# Allegro board 8880F5-0820_5.brd (continued)
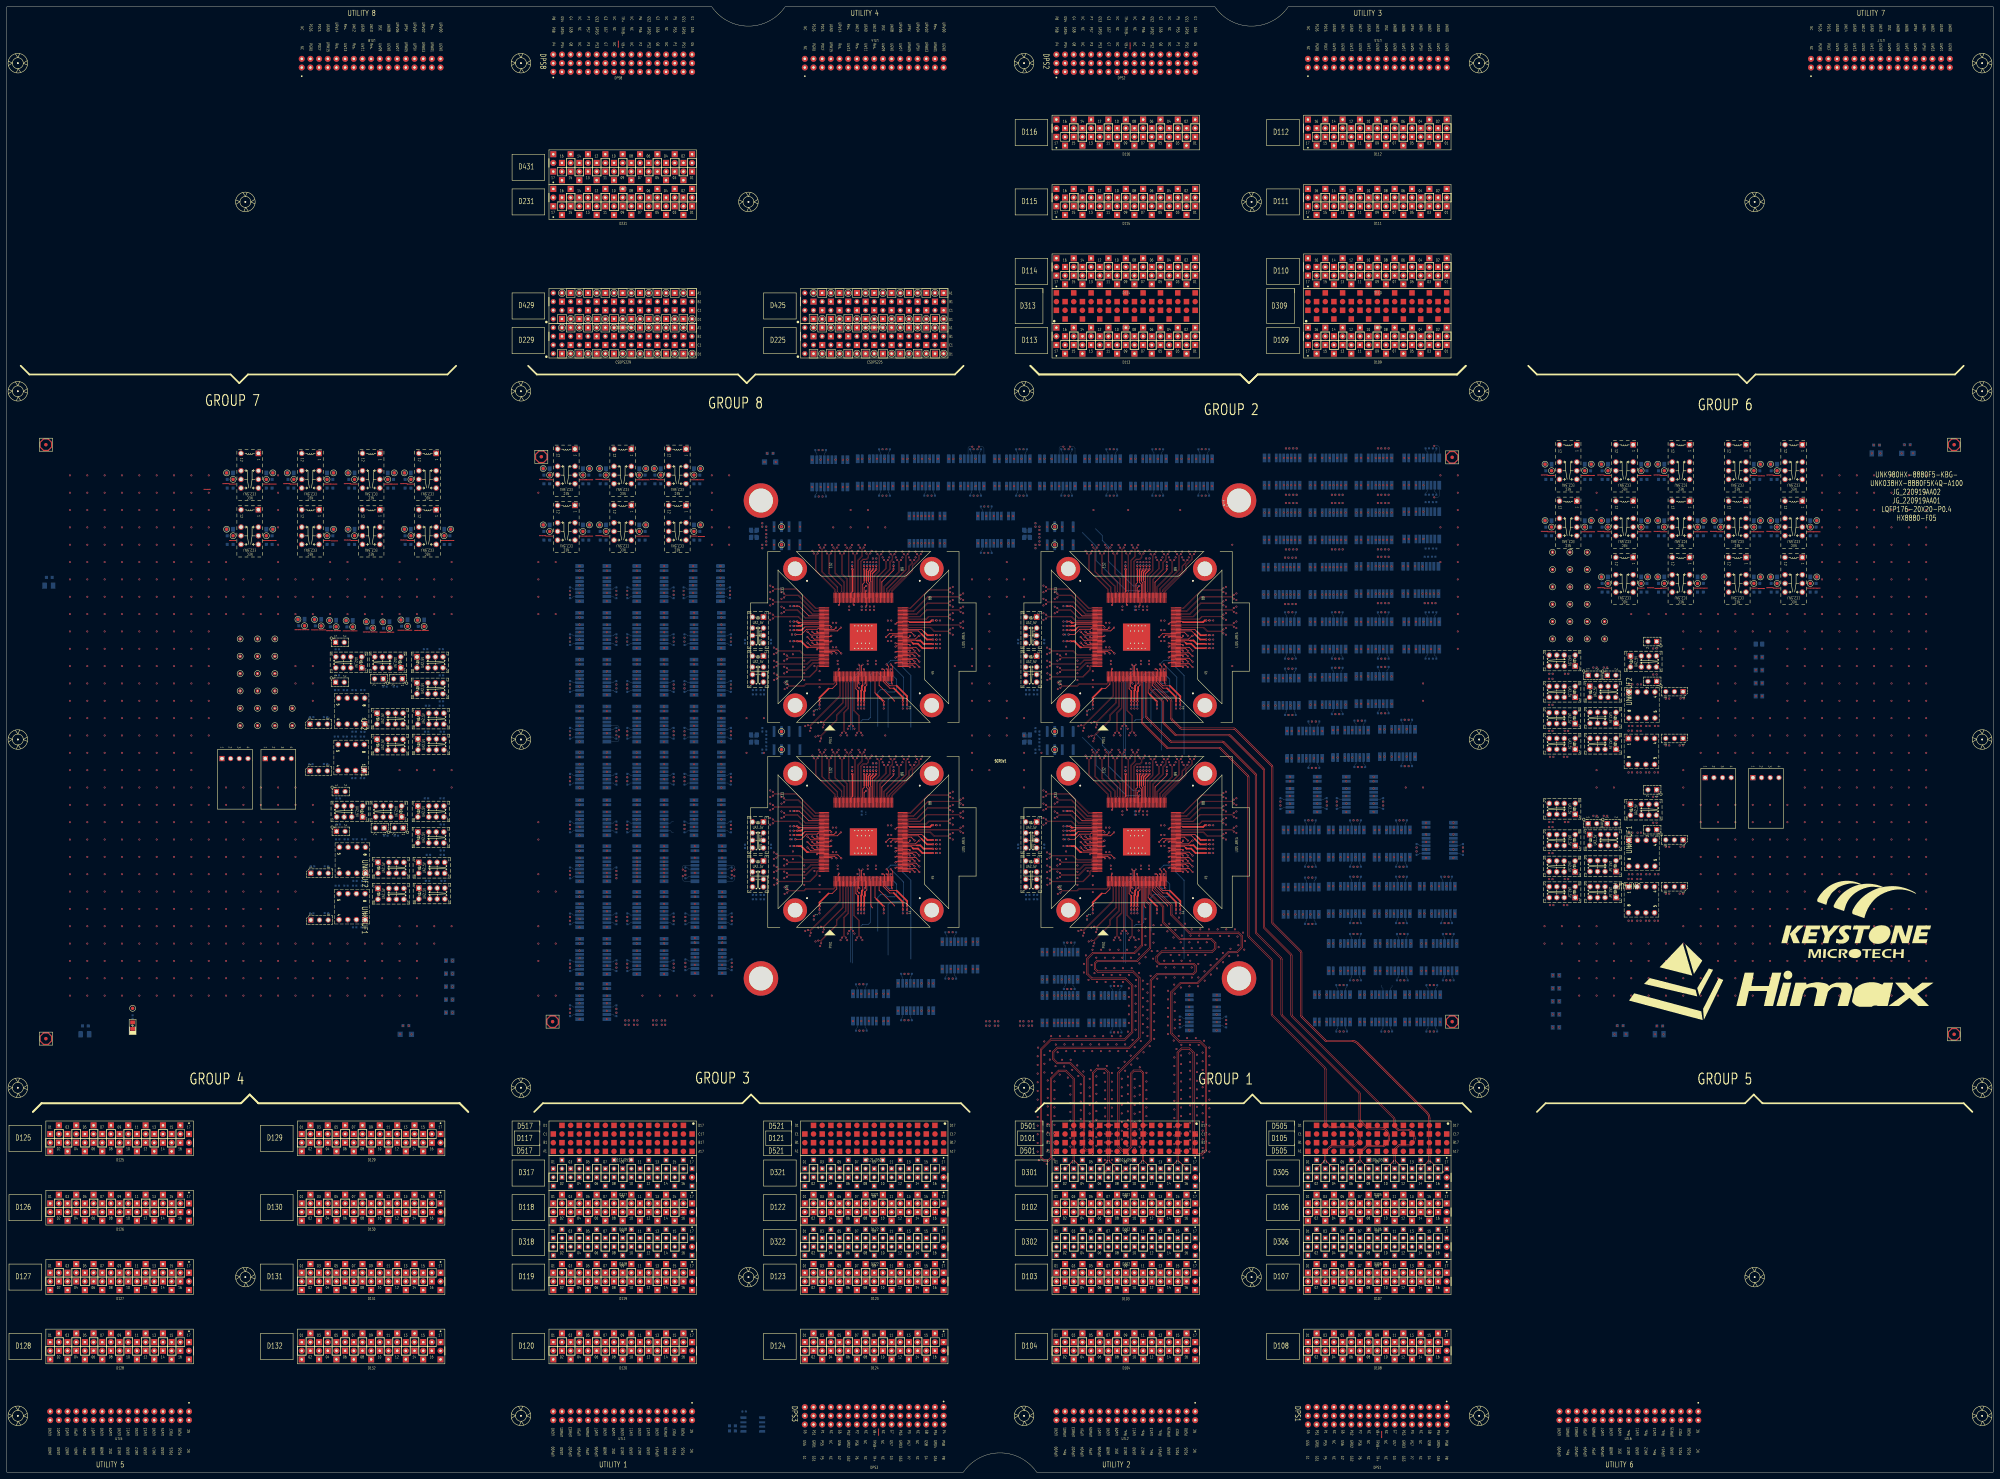
[diagram p0: board, top side]
## Routing (per net, layer and track width the routed paths; a pad name or vN(x,y) marks a point on that pad's centre or on a via; arc(x,y) is an arc through that point) (continued)
  vias: v1(18.48,292.01) v1(18.48,286.93) v1(18.48,281.85) v1(18.48,276.77) v1(18.48,271.69) v1(18.48,266.61) v1(18.48,261.53) v1(18.48,256.45) v1(18.48,251.37) v1(18.48,246.29) v1(18.48,241.21) v1(18.48,236.13) v1(18.48,231.05) v1(18.48,225.97) v1(18.48,220.89) v1(18.48,215.81) v1(18.48,210.73) v1(18.48,205.65) v1(18.48,200.57) v1(18.48,195.49) v1(18.48,190.41) v1(18.48,185.33) v1(18.48,180.25) v1(18.48,175.17) v1(18.48,170.09) v1(18.48,165.01) v1(18.48,159.93) v1(18.48,154.85) v1(18.48,149.77) v1(18.48,144.69) v1(18.48,139.61) v1(23.56,292.01) v1(23.56,286.93) v1(23.56,281.85) v1(23.56,276.77) v1(23.56,271.69) v1(23.56,266.61) v1(23.56,261.53) v1(23.56,256.45) v1(23.56,251.37) v1(23.56,246.29) v1(23.56,241.21) v1(23.56,236.13) v1(23.56,231.05) v1(23.56,225.97) v1(23.56,220.89) v1(23.56,215.81) v1(23.56,210.73) v1(23.56,205.65) v1(23.56,200.57) v1(23.56,195.49) v1(23.56,190.41) v1(23.56,185.33) v1(23.56,180.25) v1(23.56,175.17) v1(23.56,170.09) v1(23.56,165.01) v1(23.56,159.93) v1(23.56,154.85) v1(23.56,149.77) v1(23.56,144.69) v1(23.56,139.61) v1(28.64,292.01) v1(28.64,286.93) v1(28.64,281.85) v1(28.64,276.77) v1(28.64,271.69) v1(28.64,266.61) v1(28.64,261.53) v1(28.64,256.45) v1(28.64,251.37) v1(28.64,246.29) v1(28.64,241.21) v1(28.64,236.13) v1(28.64,231.05) v1(28.64,225.97) v1(28.64,220.89) v1(28.64,215.81) v1(28.64,210.73) v1(28.64,205.65) v1(28.64,200.57) v1(28.64,195.49) v1(28.64,190.41) v1(28.64,185.33) v1(28.64,180.25) v1(28.64,175.17) v1(28.64,170.09) v1(28.64,165.01) v1(28.64,159.93) v1(28.64,154.85) v1(28.64,149.77) v1(28.64,144.69) v1(28.64,139.61) v1(33.72,292.01) v1(33.72,286.93) v1(33.72,281.85) v1(33.72,276.77) v1(33.72,271.69) v1(33.72,266.61) v1(33.72,261.53) v1(33.72,256.45) v1(33.72,251.37) v1(33.72,246.29) v1(33.72,241.21) v1(33.72,236.13) v1(33.72,231.05) v1(33.72,225.97) v1(33.72,220.89) v1(33.72,215.81) v1(33.72,210.73) v1(33.72,205.65) v1(33.72,200.57) v1(33.72,195.49) v1(33.72,190.41) v1(33.72,185.33) v1(33.72,180.25) v1(33.72,175.17) v1(33.72,170.09) v1(33.72,165.01) v1(33.72,159.93) v1(33.72,154.85) v1(33.72,149.77) v1(33.72,144.69) v1(33.72,139.61) v1(38.8,292.01) v1(38.8,286.93) v1(38.8,281.85) v1(38.8,276.77) v1(38.8,271.69) v1(38.8,266.61) v1(38.8,261.53) v1(38.8,256.45) v1(38.8,251.37) v1(38.8,246.29) v1(38.8,241.21) v1(38.8,236.13) v1(38.8,231.05) v1(38.8,225.97) v1(38.8,220.89) v1(38.8,215.81) v1(38.8,210.73) v1(38.8,205.65) v1(38.8,200.57) v1(38.8,195.49) v1(38.8,190.41) v1(38.8,185.33) v1(38.8,180.25) v1(38.8,175.17) v1(38.8,170.09) v1(38.8,165.01) v1(38.8,159.93) v1(38.8,154.85) v1(38.8,149.77) v1(38.8,144.69) v1(38.8,139.61) v1(43.88,292.01) v1(43.88,286.93) v1(43.88,281.85) v1(43.88,276.77) v1(43.88,271.69) v1(43.88,266.61) v1(43.88,261.53) v1(43.88,256.45) v1(43.88,251.37) v1(43.88,246.29) v1(43.88,241.21) v1(43.88,236.13) v1(43.88,231.05) v1(43.88,225.97) v1(43.88,220.89) v1(43.88,215.81) v1(43.88,210.73) v1(43.88,205.65) v1(43.88,200.57) v1(43.88,195.49) v1(43.88,190.41) v1(43.88,185.33) v1(43.88,180.25) v1(43.88,175.17) v1(43.88,170.09) v1(43.88,165.01) v1(43.88,159.93) v1(43.88,154.85) v1(43.88,149.77) v1(43.88,144.69) v1(43.88,139.61) v1(48.96,292.01) v1(48.96,286.93) v1(48.96,281.85) v1(48.96,276.77) v1(48.96,271.69) v1(48.96,266.61) v1(48.96,261.53) v1(48.96,256.45) v1(48.96,251.37) v1(48.96,246.29) v1(48.96,241.21) v1(48.96,236.13) v1(48.96,231.05) v1(48.96,225.97) v1(48.96,220.89) v1(48.96,215.81) v1(48.96,210.73) v1(48.96,205.65) v1(48.96,200.57) v1(48.96,195.49) v1(48.96,190.41) v1(48.96,185.33) v1(48.96,180.25) v1(48.96,175.17) v1(48.96,170.09) v1(48.96,165.01) v1(48.96,159.93) v1(48.96,154.85) v1(48.96,149.77) v1(48.96,144.69) v1(48.96,139.61) v1(54.04,292.01) v1(54.04,286.93) v1(54.04,281.85) v1(54.04,276.77) v1(54.04,271.69) v1(54.04,266.61) v1(54.04,261.53) v1(54.04,256.45) v1(54.04,251.37) v1(54.04,246.29) v1(54.04,241.21) v1(54.04,236.13) v1(54.04,231.05) v1(54.04,225.97) v1(54.04,220.89) v1(54.04,215.81) v1(54.04,210.73) v1(54.04,205.65) v1(54.04,200.57) v1(54.04,195.49) v1(54.04,190.41) v1(54.04,185.33) v1(54.04,180.25) v1(54.04,175.17) v1(54.04,170.09) v1(54.04,165.01) v1(54.04,159.93) v1(54.04,154.85) v1(54.04,149.77) v1(54.04,144.69) v1(54.04,139.61) v1(59.12,292.01) v1(59.12,286.93) v1(59.12,281.85) v1(59.12,276.77) v1(59.12,271.69) v1(59.12,266.61) v1(59.12,261.53) v1(59.12,256.45) v1(59.12,251.37) v1(59.12,246.29) v1(59.12,241.21) v1(59.12,236.13) v1(59.12,231.05) v1(59.12,225.97) v1(59.12,220.89) v1(59.12,215.81) v1(59.12,200.57) v1(59.12,195.49) v1(59.12,190.41) v1(59.12,185.33) v1(59.12,180.25) v1(59.12,175.17) v1(59.12,170.09) v1(59.12,165.01) v1(59.12,159.93) v1(59.12,154.85) v1(59.12,149.77) v1(59.12,144.69) v1(59.12,139.61) v1(64.2,266.61) v1(64.2,261.53) v1(64.2,256.45) v1(64.2,251.37) v1(64.2,200.57) v1(64.2,195.49) v1(64.2,190.41) v1(64.2,185.33) v1(64.2,180.25) v1(64.2,175.17) v1(64.2,170.09) v1(64.2,165.01) v1(64.2,159.93) v1(64.2,154.85) v1(64.2,149.77) v1(64.2,144.69) v1(64.2,139.61) v1(69.28,261.53) v1(69.28,256.45) v1(69.28,251.37) v1(69.28,200.57) v1(69.28,195.49) v1(69.28,190.41) v1(69.28,185.33) v1(69.28,180.25) v1(69.28,175.17) v1(69.28,170.09) v1(69.28,165.01) v1(69.28,159.93) v1(69.28,154.85) v1(69.28,149.77) v1(69.28,144.69) v1(69.28,139.61) v1(74.36,261.53) v1(74.36,256.45) v1(74.36,251.37) v1(74.36,200.57) v1(74.36,195.49) v1(74.36,190.41) v1(74.36,185.33) v1(74.36,180.25) v1(74.36,175.17) v1(74.36,170.09) v1(74.36,165.01) v1(74.36,159.93) v1(74.36,154.85) v1(74.36,149.77) v1(74.36,144.69) v1(74.36,139.61) v1(79.44,292.01) v1(79.44,286.93) v1(79.44,281.85) v1(79.44,276.77) v1(79.44,271.69) v1(79.44,266.61) v1(79.44,261.53) v1(79.44,256.45) v1(79.44,251.37) v1(79.44,200.57) v1(79.44,195.49) v1(79.44,190.41) v1(79.44,185.33) v1(79.44,180.25) v1(79.44,175.17) v1(79.44,170.09) v1(79.44,165.01) v1(79.44,159.93) v1(79.44,154.85) v1(79.44,149.77) v1(79.44,144.69) v1(79.44,139.61) v1(84.52,261.53) v1(84.52,256.45) v1(84.52,251.37) v1(84.52,236.13) v1(84.52,231.05) v1(84.52,200.57) v1(84.52,195.49) v1(84.52,190.41) v1(84.52,185.33) v1(84.52,180.25) v1(84.52,170.09) v1(84.52,154.85) v1(84.52,149.77) v1(84.52,144.69) v1(84.52,139.61) v1(89.6,261.53) v1(89.6,256.45) v1(89.6,251.37) v1(89.6,236.13) v1(89.6,231.05) v1(89.6,225.97) v1(89.6,195.49) v1(89.6,190.41) v1(89.6,185.33) v1(89.6,154.85) v1(89.6,149.77) v1(89.6,144.69) v1(89.6,139.61) v1(94.68,266.61) v1(94.68,261.53) v1(94.68,256.45) v1(94.68,251.37) v1(94.68,154.85) v1(94.68,149.77) v1(94.68,144.69) v1(94.68,139.61) v1(99.76,266.61) v1(99.76,261.53) v1(99.76,256.45) v1(99.76,251.37) v1(99.76,154.85) v1(99.76,149.77) v1(99.76,144.69) v1(99.76,139.61) v1(104.84,261.53) v1(104.84,256.45) v1(104.84,251.37) v1(104.84,154.85) v1(104.84,149.77) v1(104.84,144.69) v1(104.84,139.61) v1(109.92,261.53) v1(109.92,256.45) v1(109.92,251.37) v1(109.92,154.85) v1(109.92,149.77) v1(109.92,144.69) v1(109.92,139.61) v1(115,266.61) v1(115,261.53) v1(115,256.45) v1(115,251.37) v1(115,205.65) v1(115,159.93) v1(115,154.85) v1(115,149.77) v1(115,144.69) v1(115,139.61) v1(120.08,261.53) v1(120.08,256.45) v1(120.08,251.37) v1(120.08,205.65) v1(120.08,159.93) v1(120.08,154.85) v1(120.08,149.77) v1(120.08,144.69) v1(120.08,139.61) v1(125.16,261.53) v1(125.16,256.45) v1(125.16,251.37) v1(125.16,205.65) v1(125.16,159.93) v1(125.16,154.85) v1(128.57,142.24) v1(130.24,266.61) v1(130.24,261.53) v1(130.24,256.45) v1(130.24,251.37) v1(130.24,205.65) v1(130.24,200.57) v1(130.24,159.93) v1(130.51,149.86) v1(130.51,146.05) v1(130.51,138.43) v1(130.51,134.62) v1(155.64,286.93) v1(155.64,266.61) v1(155.64,261.53) v1(155.64,256.45) v1(155.64,251.37) v1(155.64,190.41) v1(155.64,185.33) v1(155.64,175.17) v1(155.64,170.09) v1(155.64,159.93) v1(155.64,154.85) v1(155.64,149.77) v1(155.64,139.61) v1(160.72,266.61) v1(160.72,251.37) v1(160.72,170.09) v1(160.72,154.85) v1(160.72,139.61) v1(167.7,265.45) v1(167.7,262) v1(167.7,259.8) v1(167.7,257.6) v1(167.7,255.15) v1(167.7,251.73) v1(167.7,248.28) v1(167.7,246.08) v1(167.7,243.88) v1(167.7,241.43) v1(167.7,238.02) v1(167.7,234.57) v1(167.7,232.37) v1(167.7,230.17) v1(167.7,227.72) v1(167.7,224.3) v1(167.7,220.85) v1(167.7,218.65) v1(167.7,216.45) v1(167.7,214) v1(167.7,210.84) v1(167.7,207.39) v1(167.7,205.19) v1(167.7,202.99) v1(167.7,200.54) v1(167.7,196.87) v1(167.7,193.42) v1(167.7,191.22) v1(167.7,189.02) v1(167.7,186.57) v1(167.7,183.41) v1(167.7,179.96) v1(167.7,177.76) v1(167.7,175.56) v1(167.7,173.11) v1(167.7,169.95) v1(167.7,166.5) v1(167.7,164.3) v1(167.7,162.1) v1(167.7,159.65) v1(167.7,156.23) v1(167.7,152.78) v1(167.7,150.58) v1(167.7,148.38) v1(167.7,145.93) v1(167.7,143.02) v1(167.7,139.57) v1(167.7,137.37) v1(167.7,135.17) v1(167.7,132.72) v1(175.7,265.45) v1(175.7,262) v1(175.7,259.8) v1(175.7,257.6) v1(175.7,255.15) v1(175.7,251.73) v1(175.7,248.28) v1(175.7,246.08) v1(175.7,243.88) v1(175.7,241.43) v1(175.7,238.02) v1(175.7,234.57) v1(175.7,232.37) v1(175.7,230.17) v1(175.7,227.72) v1(175.7,224.3) v1(175.7,220.85) v1(175.7,216.45) v1(175.7,210.84) v1(175.7,207.39) v1(175.7,205.19) v1(175.7,202.99) v1(175.7,200.54) v1(175.7,196.87) v1(175.7,193.42) v1(175.7,191.22) v1(175.7,189.02) v1(175.7,186.57) v1(175.7,183.41) v1(175.7,179.96) v1(175.7,177.76) v1(175.7,175.56) v1(175.7,173.11) v1(175.7,169.95) v1(175.7,166.5) v1(175.7,164.3) v1(175.7,162.1) v1(175.7,159.65) v1(175.7,156.23) v1(175.7,152.78) v1(175.7,150.58) v1(175.7,148.38) v1(175.7,145.93) v1(175.7,143.02) v1(175.7,139.57) v1(175.7,137.37) v1(175.7,135.17) v1(175.7,132.72) v1(183.65,131.06) v1(184.47,265.45) v1(184.47,262) v1(184.47,259.8) v1(184.47,257.6) v1(184.47,255.15) v1(184.47,251.73) v1(184.47,248.28) v1(184.47,246.08) v1(184.47,243.88) v1(184.47,241.43) v1(184.47,238.02) v1(184.47,234.57) v1(184.47,232.37) v1(184.47,230.17) v1(184.47,227.72) v1(184.47,224.3) v1(184.47,220.85) v1(184.47,218.65) v1(184.47,216.45) v1(184.47,214) v1(184.47,210.84) v1(184.47,207.39) v1(184.47,205.19) v1(184.47,202.99) v1(184.47,200.54) v1(184.47,196.87) v1(184.47,193.42) v1(184.47,191.22) v1(184.47,189.02) v1(184.47,186.57) v1(184.47,183.41) v1(184.47,179.96) v1(184.47,177.76) v1(184.47,175.56) v1(184.47,173.11) v1(184.47,169.95) v1(184.47,166.5) v1(184.47,164.3) v1(184.47,162.1) v1(184.47,159.65) v1(184.47,156.23) v1(184.47,152.78) v1(184.47,150.58) v1(184.47,148.38) v1(184.47,145.93) v1(186.12,139.61) v1(191.2,139.61) v1(191.78,131.06) v1(192.47,265.45) v1(192.47,262) v1(192.47,259.8) v1(192.47,257.6) v1(192.47,255.15) v1(192.47,251.73) v1(192.47,248.28) v1(192.47,246.08) v1(192.47,243.88) v1(192.47,241.43) v1(192.47,238.02) v1(192.47,234.57) v1(192.47,232.37) v1(192.47,230.17) v1(192.47,227.72) v1(192.47,224.3) v1(192.47,220.85) v1(192.47,218.65) v1(192.47,216.45) v1(192.47,214) v1(192.47,210.84) v1(192.47,207.39) v1(192.47,205.19) v1(192.47,202.99) v1(192.47,200.54) v1(192.47,196.87) v1(192.47,193.42) v1(192.47,191.22) v1(192.47,189.02) v1(192.47,186.57) v1(192.47,183.41) v1(192.47,179.96) v1(192.47,177.76) v1(192.47,175.56) v1(192.47,173.11) v1(192.47,169.95) v1(192.47,166.5) v1(192.47,164.3) v1(192.47,162.1) v1(192.47,159.65) v1(192.47,156.23) v1(192.47,152.78) v1(192.47,150.58) v1(192.47,148.38) v1(192.47,145.93) v1(196.28,139.61) v1(200.98,265.45) v1(200.98,262) v1(200.98,259.8) v1(200.98,257.6) v1(200.98,255.15) v1(201.23,251.73) v1(201.23,248.28) v1(201.23,246.08) v1(201.23,243.88) v1(201.23,241.43) v1(201.23,238.02) v1(201.23,234.57) v1(201.23,232.37) v1(201.23,230.17) v1(201.23,227.72) v1(201.23,224.3) v1(201.23,220.85) v1(201.23,218.65) v1(201.23,216.45) v1(201.23,214) v1(201.23,210.84) v1(201.23,207.39) v1(201.23,205.19) v1(201.23,202.99) v1(201.23,200.54) v1(201.23,196.87) v1(201.23,193.42) v1(201.23,191.22) v1(201.23,189.02) v1(201.23,186.57) v1(201.36,139.61) v1(201.49,183.41) v1(201.49,179.96) v1(201.49,175.56) v1(201.49,169.95) v1(201.49,166.5) v1(201.49,164.3) v1(201.49,162.1) v1(201.49,159.65) v1(201.49,156.48) v1(201.49,153.03) v1(201.49,150.83) v1(201.49,148.63) v1(201.49,146.18) v1(206.44,292.01) v1(206.44,286.93) v1(206.44,281.85) v1(206.44,276.77) v1(206.44,271.69) v1(206.44,139.61) v1(208.98,265.45) v1(208.98,262) v1(208.98,259.8) v1(208.98,257.6) v1(208.98,255.15) v1(209.23,251.73) v1(209.23,248.28) v1(209.23,246.08) v1(209.23,243.88) v1(209.23,241.43) v1(209.23,238.02) v1(209.23,234.57) v1(209.23,232.37) v1(209.23,230.17) v1(209.23,227.72) v1(209.23,224.3) v1(209.23,220.85) v1(209.23,218.65) v1(209.23,216.45) v1(209.23,214) v1(209.23,210.84) v1(209.23,207.39) v1(209.23,205.19) v1(209.23,202.99) v1(209.23,200.54) v1(209.23,196.87) v1(209.23,193.42) v1(209.23,191.22) v1(209.23,189.02) v1(209.23,186.57) v1(209.49,183.41) v1(209.49,179.96) v1(209.49,175.56) v1(209.49,169.95) v1(209.49,166.5) v1(209.49,164.3) v1(209.49,162.1) v1(209.49,159.65) v1(209.49,156.48) v1(209.49,153.03) v1(209.49,150.83) v1(209.49,148.63) v1(209.49,146.18) v1(211.52,292.01) v1(211.52,276.77) v1(211.52,271.69) v1(216.6,220.89) v1(216.6,210.73) v1(221.21,277.98) v1(221.21,270.66) v1(221.68,220.89) v1(221.68,210.73) v1(235.85,296.61) v1(235.85,288.61) v1(236.32,221.9) v1(236.32,161.9) v1(238.3,296.61) v1(238.3,288.61) v1(240.5,296.61) v1(240.5,288.61) v1(242,276.77) v1(242.7,296.61) v1(242.7,288.61) v1(246.15,296.61) v1(246.15,288.61) v1(247.08,281.85) v1(247.08,276.77) v1(247.78,140.14) v1(247.78,132.14) v1(249.15,296.86) v1(249.15,288.86) v1(250.23,140.14) v1(250.23,132.14) v1(250.34,252.59) v1(252.16,281.85) v1(252.16,276.77) v1(252.43,140.14) v1(252.43,132.14) v1(252.6,296.86) v1(252.6,288.86) v1(254.61,267.66) v1(254.61,207.66) v1(254.63,140.14) v1(254.63,132.14) v1(254.8,296.86) v1(254.8,288.86) v1(257,296.86) v1(257,288.86) v1(257.24,276.77) v1(257.24,215.81) v1(257.99,186.67) v1(258.08,140.14) v1(258.08,132.14) v1(259.45,296.86) v1(259.45,288.86) v1(260.99,143.19) v1(260.99,135.19) v1(262.36,296.86) v1(262.36,288.86) v1(263.44,143.19) v1(263.44,135.19) v1(264.29,280.1) v1(264.29,272.1) v1(265.64,143.19) v1(265.64,135.19) v1(265.81,296.86) v1(265.81,288.86) v1(266.74,280.1) v1(266.74,272.1) v1(267.84,143.19) v1(267.84,135.19) v1(268.01,296.86) v1(268.01,288.86) v1(268.94,280.1) v1(268.94,272.1) v1(270.21,296.86) v1(270.21,288.86) v1(271.14,280.1) v1(271.14,272.1) v1(271.29,143.19) v1(271.29,135.19) v1(272.66,296.86) v1(272.66,288.86) v1(273.95,155.38) v1(273.95,147.38) v1(274.59,280.1) v1(274.59,272.1) v1(275.82,296.86) v1(275.82,288.86) v1(276.4,155.38) v1(276.4,147.38) v1(277.56,236.13) v1(278.6,155.38) v1(278.6,147.38) v1(279.27,296.86) v1(279.27,288.86) v1(280.8,155.38) v1(280.8,147.38) v1(281.47,288.86) v1(282.64,261.53) v1(282.64,241.21) v1(282.64,236.13) v1(282.64,231.05) v1(282.64,225.97) v1(282.64,215.81) v1(282.64,210.73) v1(282.64,205.65) v1(283.67,296.86) v1(283.67,288.86) v1(284.25,155.38) v1(284.25,147.38) v1(284.36,280.1) v1(284.36,272.1) v1(286.12,288.86) v1(286.81,280.1) v1(286.81,272.1) v1(287.72,261.53) v1(287.72,256.45) v1(287.72,251.37) v1(287.72,246.29) v1(287.72,241.21) v1(287.72,236.13) v1(287.72,231.05) v1(287.72,225.97) v1(287.72,215.81) v1(287.72,205.65) v1(289.01,280.1) v1(289.01,272.1) v1(289.29,296.86) v1(289.29,288.86) v1(289.31,130.81) v1(291.21,280.1) v1(291.21,272.1) v1(292.74,296.86) v1(292.74,288.86) v1(292.8,266.61) v1(292.8,261.53) v1(292.8,256.45) v1(292.8,225.97) v1(292.8,220.89) v1(292.8,215.81) v1(294.66,280.1) v1(294.66,272.1) v1(294.94,296.86) v1(294.94,288.86) v1(297.14,296.86) v1(297.14,288.86) v1(297.88,261.53) v1(297.88,256.45) v1(297.88,220.89) v1(297.88,215.81) v1(297.88,210.73) v1(297.88,205.65) v1(297.88,200.57) v1(299.22,130.81) v1(299.59,296.86) v1(299.59,288.86) v1(301.21,277.98) v1(301.21,270.66) v1(301.86,121.84) v1(301.86,119.3) v1(301.86,116.76) v1(301.86,114.22) v1(301.86,111.68) v1(301.86,109.14) v1(301.86,106.6) v1(301.86,104.06) v1(301.86,101.52) v1(301.86,98.98) v1(301.86,96.44) v1(301.86,93.9) v1(302,124.38) v1(302.21,91.39) v1(302.49,296.86) v1(302.49,288.86) v1(302.96,210.73) v1(303.26,152.34) v1(303.26,144.34) v1(303.26,139.64) v1(303.26,131.64) v1(303.8,126.17) v1(303.83,122.18) v1(303.83,119.64) v1(303.83,117.1) v1(304.51,90.31) v1(304.8,114.76) v1(304.8,112.22) v1(304.8,109.68) v1(304.8,107.14) v1(304.8,104.6) v1(304.8,102.06) v1(304.8,99.52) v1(304.8,96.98) v1(304.8,94.44) v1(305.43,123.41) v1(305.43,120.87) v1(305.81,127.73) v1(305.94,296.86) v1(305.94,288.86) v1(306.02,116.98) v1(306.71,152.34) v1(306.71,144.34) v1(306.71,139.64) v1(306.71,131.64) v1(306.77,114.47) v1(306.77,111.93) v1(306.77,109.39) v1(306.77,106.85) v1(306.77,104.31) v1(306.77,101.77) v1(306.77,99.23) v1(306.77,96.69) v1(306.77,94.15) v1(306.69,91.61) v1(307.17,125.27) v1(307.08,118.94) v1(307.7,123.02) v1(308.14,288.86) v1(308.35,127.73) v1(308.31,116.49) v1(308.67,88.9) v1(308.91,152.34) v1(308.91,144.34) v1(308.91,139.64) v1(308.91,131.64) v1(308.98,120.82) v1(309.62,118.85) v1(309.71,125.31) v1(310.22,123.33) v1(310.34,296.86) v1(310.34,288.86) v1(310.69,115.6) v1(310.89,127.73) v1(311.11,152.34) v1(311.11,144.34) v1(311.11,139.64) v1(311.11,131.64) v1(311.44,113.17) v1(311.44,110.63) v1(311.44,108.09) v1(311.44,105.55) v1(311.44,103.01) v1(311.44,100.47) v1(311.44,97.93) v1(311.44,95.39) v1(311.52,120.82) v1(311.97,117.87) v1(312.25,125.31) v1(312.76,123.33) v1(312.79,288.86) v1(313.43,127.73) v1(313.45,119.17) v1(313.56,152.34) v1(313.56,144.34) v1(313.56,139.64) v1(313.56,131.64) v1(313.76,116.07) v1(314.47,113.63) v1(314.47,111.09) v1(314.47,108.55) v1(314.47,106.01) v1(314.47,103.47) v1(314.47,100.93) v1(314.47,98.39) v1(314.47,95.85) v1(314.79,125.31) v1(315.25,117.37) v1(315.3,123.33) v1(315.41,148.92) v1(315.41,146.38) v1(315.42,93.5) v1(315.7,296.86) v1(315.7,288.86) v1(315.98,151.39) v1(315.97,127.73) v1(316.32,221.9) v1(316.32,161.9) v1(316.75,144.22) v1(316.97,139.64) v1(316.97,131.64) v1(317.08,115.22) v1(317.08,112.68) v1(317.08,110.14) v1(317.08,107.6) v1(317.08,105.06) v1(317.08,102.52) v1(317.08,99.98) v1(317.08,97.44) v1(317.33,125.31) v1(317.44,117.73) v1(317.64,148.58) v1(317.84,123.33) v1(317.9,153.06) v1(317.96,93.32) v1(318.2,281.85) v1(318.5,146.19) v1(318.51,127.73) v1(319.02,150.72) v1(319.05,115.93) v1(319.05,113.39) v1(319.05,110.85) v1(319.05,108.31) v1(319.05,105.77) v1(319.05,103.23) v1(319.05,100.69) v1(319.05,98.15) v1(319.05,95.61) v1(319.15,296.86) v1(319.15,288.86) v1(319.21,143.6) v1(319.56,119.13) v1(319.87,125.31) v1(320.44,153.06) v1(320.42,139.64) v1(320.42,131.64) v1(320.38,123.33) v1(320.98,145.67) v1(321.05,127.73) v1(321.35,296.86) v1(321.35,288.86) v1(321.4,116.92) v1(321.56,150.72) v1(321.55,91.53) v1(321.61,114.39) v1(321.61,111.85) v1(321.61,109.31) v1(321.61,106.77) v1(321.61,104.23) v1(321.61,101.69) v1(321.61,99.15) v1(321.61,96.61) v1(321.61,94.07) v1(321.77,147.64) v1(321.75,143.6) v1(321.71,88.11) v1(322.09,119.01) v1(322.41,125.31) v1(322.62,139.64) v1(322.62,131.64) v1(322.98,153.06) v1(322.92,123.33) v1(323.55,296.86) v1(323.55,288.86) v1(323.52,145.67) v1(323.59,127.73) v1(323.58,116.95) v1(323.58,114.41) v1(323.58,111.87) v1(323.58,109.33) v1(323.58,106.79) v1(323.58,104.25) v1(323.58,101.71) v1(323.58,99.17) v1(323.58,96.63) v1(323.58,94.09) v1(323.58,91.55) v1(324.1,150.72) v1(324.25,88.11) v1(324.31,147.64) v1(324.29,143.6) v1(324.82,139.64) v1(324.82,131.64) v1(324.95,125.31) v1(325.46,123.33) v1(325.52,153.06) v1(325.51,118.43) v1(325.85,93.61) v1(326,296.86) v1(326,288.86) v1(326.06,145.67) v1(326.13,127.73) v1(326.49,115.26) v1(326.49,112.72) v1(326.49,110.18) v1(326.49,107.64) v1(326.49,105.1) v1(326.49,102.56) v1(326.49,100.02) v1(326.49,97.48) v1(326.64,150.72) v1(326.85,147.64) v1(326.83,143.6) v1(326.79,88.11) v1(327.27,139.64) v1(327.27,131.64) v1(327.31,120.23) v1(327.47,117.6) v1(327.49,125.31) v1(328.06,153.06) v1(328,123.33) v1(328.13,95.54) v1(328.27,115.86) v1(328.27,113.32) v1(328.27,110.78) v1(328.27,108.24) v1(328.27,105.7) v1(328.27,103.16) v1(328.27,100.62) v1(328.27,98.08) v1(328.36,281.85) v1(328.29,129.06) v1(328.35,93.17) v1(328.56,141.74) v1(328.56,139.2) v1(328.56,136.66) v1(328.56,134.12) v1(328.56,131.58) v1(328.6,145.67) v1(328.99,88.9) v1(329.16,296.86) v1(329.16,288.86) 